# KiCad board pcb.kicad_pcb (continued)
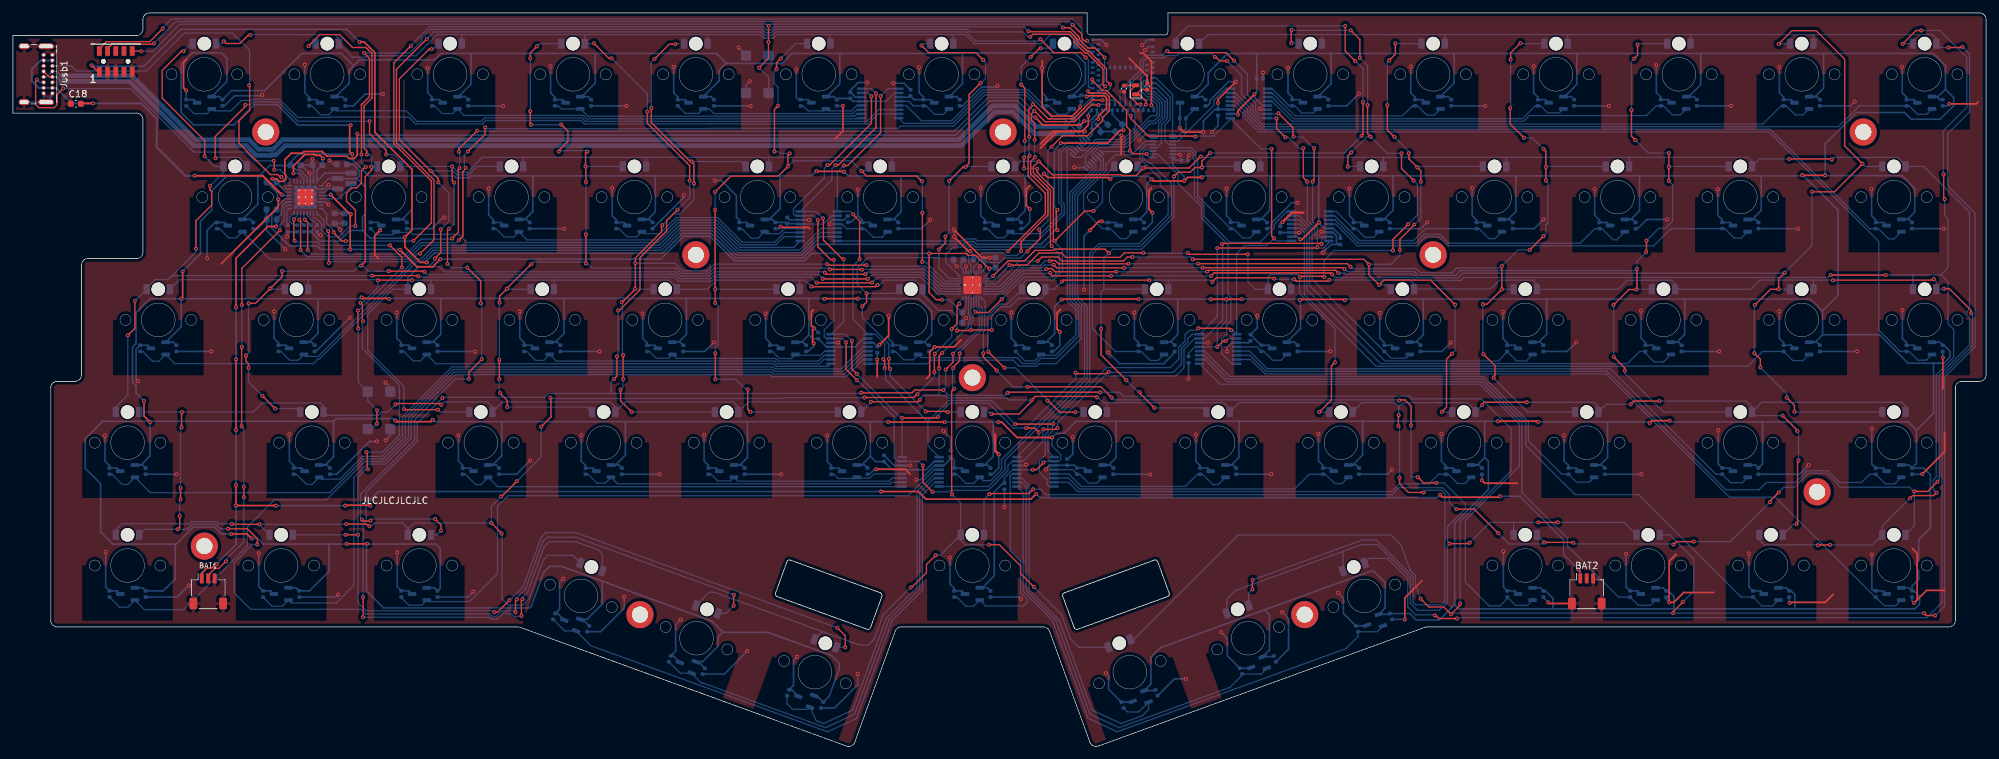
[diagram p0: board, top side]
## Routing (per net, layer and track width the routed paths; a pad name or vN(x,y) marks a point on that pad's centre or on a via; arc(x,y) is an arc through that point) (continued)
/MUX_B_6: length 31.3
  Bottom w0.2: MUXA2.14 182.14,92.08 182.5,91.71 182.5,90.94 182.7,90.74 182.7,85.09 184.17,83.61 184.17,81.94 188.15,77.96 192.82,77.96 195.03,80.17 195.03,80.75 197,82.71 MUXB6.8
/MUX_B_7: length 39.8
  Bottom w0.2: MUXB7.8 188.48,59.16 186.89,60.75 186.89,62.96 187.69,63.76 187.69,65.19 188.32,65.82 188.32,69.4 187.9,69.82 187.9,77.58 183.77,81.7 183.77,83.45 180.18,87.04 180.18,88.4 177.01,91.58 MUXA2.2
/MUX_B_8: length 69.4
  Bottom w0.2: MUXA2.5 175.25,93.08 174.25,92.07 174.25,90.95 177.43,87.77 177.43,86.73 178.63,85.54 178.63,82.25 174.11,77.74 167.94,77.74 166.49,76.28 166.49,56.5 160.03,50.04 160.03,48.58 159.63,48.18 159.63,45.05 158.71,44.13 158.71,42.42 159.92,41.2 159.92,40.46 160.23,40.16 MUXB8.8
/MUXA_SEL: length 22.9
  Top w0.2: v1(175.29,91.64) 173.19,91.64 v1(172.7,92.13) 172.7,95.34 172.2,95.84 172.2,98.3 169.97,100.54 169.97,100.56 169.09,101.44 168.47,101.44 166.9,103 v1(166.9,103.14)
  Bottom w0.2: v1(172.7,92.13) 172.55,91.98 168.48,91.98 MUXA1.1 ; v1(166.9,103.14) 166.95,103.09 MDBT1.41 ; v1(175.29,91.64) 175.29,91.54 175.76,91.08 MUXA2.1
/MUXB_SEL_0: length 200.5
  Top w0.2: v1(194.99,78.55) 194.63,78.91 v1(194.63,92.41) ; v1(134.8,58.47) 134.8,58.47 134.8,59.64 v1(134.6,59.84) ; v1(188.39,64.35) 188.09,64.65 v1(183.29,64.65) ; v1(129.94,82.28) 129.94,82.21 130.91,81.24 v1(130.91,75.3) ; v1(172.85,97.54) 172.85,97.09 175.56,94.38 182.78,94.38 v1(182.85,94.31) ; v1(154.98,49.82) 160.83,49.82 v1(160.86,49.85) ; v1(134.16,100.57) 134.16,94.9 129.08,89.83 v1(128.48,89.83)
  Bottom w0.2: MUXB1.1 135.31,101.71 v1(134.16,100.57) ; v1(183.29,64.65) 182.97,64.33 181.91,64.33 181.25,63.67 181.25,62.69 180.28,61.72 180.28,59.88 178.96,58.57 169.15,58.57 160.86,50.28 v1(160.86,49.85) 160.76,49.75 160.76,48.75 160.03,48.01 160.03,45.64 MUXB8.1 ; v1(134.8,58.47) 134.91,58.36 134.91,56.72 140.49,51.14 141.48,50.15 ; 141.48,50.15 141.48,50.25 144.71,53.48 147.59,53.48 147.6,53.49 149.1,53.49 149.11,53.48 151.32,53.48 v1(154.98,49.82) ; 141.48,50.15 141.48,46.45 MUXB4.1 ; v1(194.63,92.41) 192.99,92.41 MUXB5.1 188.24,96.95 185.66,94.38 182.91,94.38 v1(182.85,94.31) ; v1(129.94,82.28) 129.51,82.71 MUXB2.1 127.46,88.81 v1(128.48,89.83) ; v1(130.91,75.3) 129.91,74.29 129.91,66.01 MUXB3.1 133.31,63.71 134.8,62.22 134.8,60.05 v1(134.6,59.84) ; MUXB6.1 195.38,78.16 v1(194.99,78.55) 193.9,77.46 190.47,77.46 189.21,76.2 MUXB7.1 188.58,64.35 v1(188.39,64.35) ; MDBT1.22 172.4,97.89 172.75,97.54 v1(172.85,97.54)
/MUXB_SEL_1: length 231
  Top w0.2: v1(195.39,97.13) 195.39,95.56 v1(196.76,94.19) ; v1(128.46,75.32) 128.3,75.32 125.32,78.3 125.32,81.56 v1(125.24,81.64) ; v1(133.44,100.99) 133.44,95.69 127.65,89.9 v1(127.19,89.9) ; v1(130.51,57.58) 129.71,58.38 v1(129.71,62.71) ; v1(185.85,106.63) 185.98,106.63 186.62,106 v1(187.75,106) ; v1(143.04,50.91) 143.04,50.89 142.93,50.78 v1(137.49,50.78) ; v1(186.22,77.06) 201.58,77.06 v1(201.7,77.18) ; v1(164.29,57.77) 164.44,57.62 169.11,57.62 v1(169.41,57.92) ; v1(158.61,48.54) 158.61,48.59 158,49.2 v1(156.66,49.2) ; v1(199.54,92.53) 199.54,87.94 v1(200.15,87.33)
  Bottom w0.2: v1(125.24,81.64) 124.17,82.71 MUXB2.16 126.65,87.62 126.65,89.36 v1(127.19,89.9) ; v1(195.39,97.13) 195.35,97.16 MUXB5.16 192.76,97.16 191.73,98.19 191.73,99.05 189.98,100.8 189.98,103.77 v1(187.75,106) ; v1(199.54,92.53) 199.42,92.41 199.01,92.41 197.23,94.19 v1(196.76,94.19) ; MUXB1.16 132.72,101.71 v1(133.44,100.99) ; v1(143.04,50.91) 143.04,51.2 144.92,53.08 147.76,53.08 147.77,53.09 148.93,53.09 148.94,53.08 150.82,53.08 154.7,49.2 v1(156.66,49.2) 164.36,56.9 164.36,57.7 v1(164.29,57.77) ; v1(185.85,106.63) 185.35,107.14 180.27,107.14 179.97,106.84 178.27,106.84 177.91,106.48 175.35,106.48 174.75,105.89 174.75,104.41 172,101.67 MDBT1.23 ; v1(186.22,77.06) 186.22,66.45 MUXB7.16 182.34,63.71 181.65,63.03 181.65,62.53 180.67,61.55 180.67,59.08 179.4,57.81 169.52,57.81 v1(169.41,57.92) ; MUXB4.16 v1(137.49,50.78) 137.49,50.72 137.43,50.66 137.43,50.66 v1(130.51,57.58) ; v1(200.15,87.33) 200.15,81.33 201.28,80.2 201.28,79.13 201.7,78.71 v1(201.7,77.18) 201.83,77.05 202.63,77.05 203.46,77.88 MUXB6.16 ; v1(158.61,48.54) 158.61,48.08 MUXB8.16 ; v1(129.71,62.71) 128.71,63.71 MUXB3.16 128.46,65.68 v1(128.46,75.32)
/MUXB_SEL_2: length 232.8
  Top w0.2: v1(201.19,92.53) 201.19,87.56 v1(200.96,87.33) ; v1(202.35,77.69) 202.26,77.78 187.04,77.78 v1(186.93,77.67) ; v1(140.71,43.42) 140.71,40.83 v1(142.2,39.34) ; v1(195.68,97.92) 197.92,95.68 197.92,94.41 v1(198.01,94.33) ; v1(125.93,89.9) 126.29,89.9 132.75,96.36 v1(132.75,100.55) ; v1(124.46,81.41) 124.46,77.24 126.46,75.25 v1(126.93,75.25) ; v1(188.81,106.06) 187.58,107.28 178.73,107.28 v1(178.47,107.55) ; v1(128.83,62.48) 128.83,58.3 v1(130.54,56.59) ; v1(161.51,49.22) 161.29,49 v1(159.32,49)
  Bottom w0.2: v1(124.46,81.41) 123.8,82.06 MUXB2.15 121,82.06 120.7,82.36 120.7,83.16 125.47,87.94 125.47,89.44 v1(125.93,89.9) ; v1(159.32,49) 159.23,48.91 159.23,47.1 156.19,44.06 MUXB8.15 154.5,44.06 153.86,43.42 153.86,42.6 150.83,39.58 144.94,39.58 144.7,39.34 v1(142.2,39.34) ; v1(202.35,77.69) 202.35,78.44 202.73,78.81 ; v1(130.54,56.59) 130.63,56.59 136.26,50.96 136.26,44.63 136.83,44.06 MUXB4.15 140.06,44.06 v1(140.71,43.42) ; MUXB1.15 132.24,101.06 v1(132.75,100.55) ; MUXB6.15 202.73,78.81 ; 202.73,78.81 202.17,78.81 201.68,79.3 201.68,80.36 200.96,81.08 v1(200.96,87.33) ; 178.43,107.59 v1(178.47,107.55) 178.41,107.55 177.75,106.88 175.18,106.88 174.35,106.05 174.35,104.63 171.2,101.48 MDBT1.25 ; v1(198.01,94.33) 198.1,94.24 199.43,94.24 201.07,92.6 201.07,92.41 v1(201.19,92.53) ; v1(126.93,75.25) 126.93,65.89 125.45,64.41 125.45,63.36 125.75,63.06 MUXB3.15 128.25,63.06 v1(128.83,62.48) ; v1(188.81,106.06) 190.88,103.99 190.88,100.77 192.13,99.52 192.13,98.36 192.68,97.81 MUXB5.15 195.57,97.81 v1(195.68,97.92) ; v1(186.93,77.67) 187.05,77.55 187.05,65.89 184.22,63.06 MUXB7.15 182.75,63.06 181.08,61.39 181.08,58.51 179.83,57.27 168.77,57.27 161.51,50.01 v1(161.51,49.22)
/NRESET: length 173.4
  Top w0.2: v1(162.37,111.16) 163.41,111.16 164.9,109.67 164.9,109.33 166.23,108 167.34,108 v1(168.8,106.54) ; JTAG1.10 19.81,107.55 v1(19.86,107.5) ; v1(116.83,111.42) v1(116.83,108.96) 116.83,106.42 v1(115.38,104.97)
  Bottom w0.2: v1(162.37,111.16) 161.83,111.7 117.11,111.7 v1(116.83,111.42) 116.55,111.7 25.81,111.7 21.61,107.5 v1(19.86,107.5) ; MDBT1.40 168.15,102.19 168.24,102.27 168.24,102.35 168.62,102.74 168.7,102.74 168.8,102.83 v1(168.8,106.54) ; SW1.2 116.85,103.5 v1(115.38,104.97) ; v1(116.83,108.96) 116.85,108.94 SW1.2
/SCL: length 192.9
  Top w0.2: v1(157.19,91.36) 156.98,91.15 156.98,88.18 159.63,85.54 159.63,82.33 v1(153.86,76.57) ; v1(157.16,94.27) 157.09,94.34 157.09,98.53 157.72,99.16 v1(157.72,99.3) 157.83,99.3 160.08,97.05 160.45,97.05 160.45,97.05 163.98,97.05 166.86,99.94 v1(168.47,99.94) ; v1(44.48,76.73) 44.48,81.33 44.36,81.45 v1(44.27,81.45) ; v1(70.36,92.02) 73,94.66 v1(73,95.73) ; v1(68.94,78.26) 69.58,78.9 69.58,88.9 70,89.32 v1(70,89.47)
  Bottom w0.2: v1(168.47,99.94) 170.25,99.94 170.4,99.79 MDBT1.27 ; v1(70,89.47) 69.81,89.66 69.81,91.47 v1(70.36,92.02) ; PMIC1.14 44.48,81.65 v1(44.27,81.45) 44.27,81.37 R3.2 ; v1(153.86,76.57) 153.63,76.8 148.67,76.8 148.24,77.23 147.75,77.23 147.37,76.84 147.37,76.13 147.79,75.71 147.79,74.83 148.15,74.48 LEDDR1.28 ; v1(68.94,78.26) 68.58,77.9 63.13,77.9 60.97,75.74 45.48,75.74 v1(44.48,76.73) ; v1(157.16,94.27) 157.11,94.22 157.11,91.44 v1(157.19,91.36) ; v1(73,95.73) 73.21,95.53 107.21,95.53 107.27,95.59 136.93,95.59 137.27,95.93 145.46,95.93 150.27,100.75 156.58,100.75 157.72,99.61 v1(157.72,99.3)
/SDA: length 187.2
  Top w0.2: v1(167.85,99.18) 166.71,99.18 164.13,96.61 159.61,96.61 v1(157.94,98.28) 157.49,97.83 157.49,96.85 157.99,96.35 v1(157.99,93.79) ; v1(45.57,76.73) 45.58,76.74 45.58,81.01 v1(45.12,81.47) ; v1(71.77,95.21) 68.94,92.39 v1(68.94,91.95) ; v1(158.03,91.1) 157.38,90.44 157.38,88.51 160.03,85.86 160.03,82.17 155.89,78.03 v1(155.89,76.59) ; v1(69.07,89.45) 68.87,89.25 68.87,79.52 67.92,78.57 v1(67.92,78.53)
  Bottom w0.2: v1(167.85,99.18) 167.95,99.29 MDBT1.29 ; v1(158.03,91.1) 157.97,91.16 157.97,93.77 v1(157.99,93.79) ; LEDDR1.29 148.55,74.09 149.34,74.88 149.34,75.78 149.89,76.33 153.18,76.33 153.59,75.92 155.22,75.92 v1(155.89,76.59) ; v1(45.57,76.73) 46.17,76.14 60.8,76.14 63.1,78.44 67.83,78.44 v1(67.92,78.53) ; v1(69.07,89.45) 69.07,91.82 v1(68.94,91.95) ; v1(71.77,95.21) 71.85,95.13 145.59,95.13 150.81,100.35 155.75,100.35 157.82,98.28 v1(157.94,98.28) ; PMIC1.13 44.98,81.62 v1(45.12,81.47) 45.19,81.47 R4.2
/SW0: length 897.4
  Top w0.2: v1(54.14,19.93) 54.16,19.95 54.16,23.01 v1(54.13,23.04) ; 66.31,53.97 v1(66.42,53.86) ; v1(131.16,54.67) 139.03,54.67 139.46,55.1 v1(143.87,55.1) ; v1(104.64,87.51) 104.64,89.82 98.1,96.36 v1(98.1,98.14) ; v1(78.62,20.16) 78.62,22.55 v1(78.8,22.73) ; v1(299.26,108.09) 301.36,108.09 v1(301.46,108.19) ; v1(36.67,110.02) 36.4,110.02 35.09,108.7 32.95,108.7 v1(32.6,109.06) ; v1(92.56,106.42) 92.15,106.42 v1(89.83,108.74) ; v1(217.65,22.82) 218.94,21.53 221.24,21.53 v1(222.38,20.39) 223.78,21.79 v1(223.78,22.02) ; v1(102.76,82.99) 101.08,81.31 101.08,79.7 96.96,75.58 96.96,70.62 93.75,67.41 v1(93.57,67.41) ; v1(256.71,20.57) 256.71,20.79 v1(258.26,22.34) ; v1(92.96,56.81) 93.39,57.24 v1(93.39,60.28) ; v1(168.11,54.75) 153.9,54.75 v1(153.8,54.65) ; v1(145.36,60.72) 145.36,59.39 v1(144.23,58.26) ; v1(297.22,20.21) 295.88,20.21 v1(295.53,20.56)
  Bottom w0.2: 92.51,54.56 92.51,56.36 v1(92.96,56.81) ; 92.51,54.56 82.84,54.56 82.25,53.97 66.53,53.97 v1(66.42,53.86) 62.51,49.95 62.51,47.17 54.61,39.27 54.61,34.83 54.16,34.38 54.16,23.07 v1(54.13,23.04) ; 92.51,54.56 131.05,54.56 v1(131.16,54.67) ; D13.2 259.4,110.03 259.46,110.09 ; 126.4,110.09 118.12,110.09 117.6,109.57 116.06,109.57 115.54,110.09 107.4,110.09 ; 126.4,110.09 145.45,110.09 ; 126.4,110.09 D6.2 ; 69.4,110.09 65.59,110.09 62.35,106.85 62.35,106.81 54.79,106.81 54.57,106.59 52.5,106.59 D2.2 50.4,109.49 49.8,110.09 44.75,110.09 44.75,110.08 44.39,110.08 44.39,110.09 36.74,110.09 v1(36.67,110.02) ; 69.4,110.09 D3.2 ; 69.4,110.09 88.4,110.09 ; D11.2 221.4,110.06 221.43,110.09 ; v1(144.23,58.26) 144.23,55.46 v1(143.87,55.1) 144.69,54.28 147.26,54.28 147.27,54.29 149.43,54.29 149.44,54.28 153.43,54.28 v1(153.8,54.65) ; v1(168.11,54.75) 171.08,54.75 171.7,54.13 215.92,54.13 216.32,53.73 227.04,53.73 231.66,49.11 231.66,42.6 223.78,34.72 v1(223.78,22.02) ; v1(301.46,108.19) 302.54,107.11 302.54,98.13 299.18,94.77 299.18,86.68 303.4,82.46 303.4,61.78 298.68,57.06 298.68,21.67 v1(297.22,20.21) ; v1(102.76,82.99) 104.64,84.87 v1(104.64,87.51) ; 278.45,110.09 278.4,110.04 D14.2 ; 278.45,110.09 259.46,110.09 ; 278.45,110.09 296.8,110.09 297.4,109.49 D15.2 298,108.09 v1(299.26,108.09) ; v1(32.6,109.06) 32.23,108.69 D1.2 ; D9.2 184.8,110.09 202.38,110.09 ; 202.38,110.09 221.43,110.09 ; 202.38,110.09 202.4,110.07 D10.2 ; 221.43,110.09 240.42,110.09 ; 259.46,110.09 240.42,110.09 ; v1(93.57,67.41) 93.57,60.46 v1(93.39,60.28) ; 240.42,110.09 240.4,110.07 D12.2 ; v1(78.62,20.16) 78.51,20.05 77.46,20.05 77.07,20.44 76.73,20.44 76.65,20.52 75.74,20.52 74.87,19.65 74.01,19.65 73.72,19.93 v1(54.14,19.93) ; D8.2 164.4,109.49 163.8,110.09 160.45,110.09 159.05,108.69 148.65,108.69 147.25,110.09 145.45,110.09 ; v1(89.83,108.74) 89.78,108.69 D4.2 88.4,110.09 ; LEDDR1.11 148.95,68.01 149.52,67.44 149.52,66.9 149.41,66.79 149.41,64.58 146.24,61.41 146.05,61.41 v1(145.36,60.72) ; 88.4,110.09 107.4,110.09 ; v1(217.65,22.82) 216.87,24.96 216.87,26.4 216.04,27.23 214.63,31.12 213.09,32.66 189.44,32.66 173.3,16.51 D66.2 ; D7.2 145.4,110.04 145.45,110.09 ; v1(92.56,106.42) 98.1,100.88 v1(98.1,98.14) ; v1(78.8,22.73) 78.8,23.01 79.59,23.81 82.17,30.88 82.9,31.61 87.04,31.61 90.47,30.36 91.14,29.69 D62.2 ; v1(222.38,20.39) 222.38,20.54 222.4,20.57 v1(256.71,20.57) 295.52,20.57 v1(295.53,20.56) ; D70.2 256.18,32.69 259.91,28.96 259.91,23.99 v1(258.26,22.34) ; 107.4,110.09 D5.2
/SW1: length 650.7
  Top w0.2: 294.06,39.36 v1(294.01,39.41) 296.08,39.41 v1(297.59,40.92) ; v1(150.95,38.97) 151.06,39.08 157.1,39.08 v1(157.76,39.74) ; v1(271.68,37.76) 271.68,37.91 v1(273.04,39.27) ; v1(66.2,33.35) 66.2,34.22 v1(65.28,35.14) ; v1(67.44,80.04) 67.19,79.79 v1(67.19,74.61) ; v1(72.33,68.55) 72.33,71.95 v1(70.25,74.03) ; v1(241.28,31.46) 241.22,31.52 v1(236.78,31.52) ; v1(174.84,89.44) 175.08,89.68 175.08,89.81 ; v1(174.84,89.44) 173.69,88.28 171.52,88.28 171.41,88.4 160.73,88.4 158.65,90.47 v1(158.61,90.47) 157.78,89.64 157.78,88.73 160.43,86.08 160.43,77.53 v1(160.6,77.36) ; v1(174.84,89.44) 181.85,89.44 183.63,91.22 v1(183.67,91.22) ; v1(229.68,32.93) 225.95,36.66 v1(223.18,36.66) ; v1(281.25,90.76) 281.16,90.85 v1(274.66,90.85) ; v1(72.49,59.85) 70.51,57.87 v1(70.51,56.8) ; v1(148.87,67.17) 148.94,67.1 150.85,67.1 v1(152.89,69.14) ; v1(53.96,35.03) 53.96,34.89 54.04,34.82 55.21,34.82 v1(55.27,34.87) ; v1(55.14,96.68) 55.14,94.75 57.72,92.16 v1(57.72,91.54) ; v1(31.33,90.95) 31.28,91 31.28,94.32 35.95,98.99 v1(35.95,99.24) ; v1(68.22,87.19) 67.91,87.49 v1(67.91,89.69) ; v1(259.9,31.64) 257.23,31.64 v1(256.77,31.18)
  Bottom w0.2: 230.9,91.09 211.85,91.09 ; 230.9,91.09 249.9,91.09 ; 230.9,91.09 D26.2 ; 211.85,91.09 211.9,91.04 D25.2 ; 211.85,91.09 192.98,91.09 ; v1(148.87,67.17) 148.55,67.49 LEDDR1.12 ; 135.85,91.09 154.3,91.09 154.9,90.49 D22.2 155.69,90.47 v1(158.61,90.47) ; 135.85,91.09 116.88,91.09 ; 135.85,91.09 135.9,91.04 D21.2 ; 116.88,91.09 116.9,91.07 D20.2 ; 116.88,91.09 97.93,91.09 ; v1(256.77,31.18) 256.67,31.28 241.46,31.28 v1(241.28,31.46) ; v1(70.25,74.03) 67.77,74.03 v1(67.19,74.61) ; D65.2 150.15,38.17 v1(150.95,38.97) ; v1(223.18,36.66) 222.09,37.75 222.09,38.93 221.04,39.98 214.33,39.98 213.25,38.9 159.77,38.9 158.93,39.74 v1(157.76,39.74) ; 97.93,91.09 97.9,91.06 D19.2 ; 97.93,91.09 78.92,91.09 ; D72.2 294.01,34.05 v1(294.01,39.41) 293.92,39.41 293.27,40.06 282.58,40.06 280.43,42.21 277.61,42.21 275.46,40.06 273.83,40.06 v1(273.04,39.27) ; v1(68.22,87.19) 68.22,80.82 v1(67.44,80.04) ; v1(55.14,96.68) 44.05,96.68 41.04,99.69 37.16,99.69 36.71,99.24 v1(35.95,99.24) ; v1(183.67,91.22) 183.62,91.17 183.62,91.1 183.63,91.09 192.98,91.09 ; v1(174.84,89.44) 174.59,89.69 D23.2 ; 78.92,91.09 78.9,91.07 D18.2 ; 78.92,91.09 72.54,91.09 70.22,88.77 68.83,88.77 v1(67.91,89.69) D17.2 59.9,90.54 58.9,91.54 v1(57.72,91.54) ; v1(65.28,35.14) 55.53,35.14 v1(55.27,34.87) ; D61.2 65.54,32.69 v1(66.2,33.35) ; 192.98,91.09 192.9,91.01 D24.2 ; v1(274.66,90.85) 270.06,90.85 D28.2 268.9,90.49 268.3,91.09 249.9,91.09 ; 249.9,91.09 D27.2 ; D16.2 36.15,89.87 34.93,91.09 31.47,91.09 v1(31.33,90.95) ; v1(53.96,35.03) 53.75,35.24 53.75,38.98 62.11,47.34 62.11,50.47 68.44,56.8 v1(70.51,56.8) ; v1(160.6,77.36) 160.6,77.34 161.81,76.14 161.81,73.61 160.78,72.58 156.33,72.58 v1(152.89,69.14) ; v1(72.49,59.85) 72.49,68.39 v1(72.33,68.55) ; v1(281.25,90.76) 281.58,91.09 291.43,91.09 292.65,89.87 D29.2 295.44,89.69 302.54,82.59 302.54,67.6 302.14,67.2 302.14,66.68 302.54,66.28 302.54,62.05 297.85,57.36 297.85,41.18 v1(297.59,40.92) ; v1(229.68,32.93) 231.32,31.28 236.55,31.28 v1(236.78,31.52) 236.78,31.56 D69.2 ; v1(259.9,31.64) 265.56,31.64 v1(271.68,37.76)
/SW2: length 618
  Top w0.2: v1(195.03,72.33) 194.9,72.46 186.07,72.46 v1(185.45,71.84) ; v1(127.47,18.3) 128.7,17.07 v1(128.7,15.29) ; v1(219.85,20.23) 219.99,20.23 220.49,19.74 v1(223.29,19.74) ; v1(198.11,72.24) 198.41,71.94 203.36,71.94 v1(203.55,72.13) ; v1(302.79,66.95) 302.79,67.4 299.42,70.77 v1(298.57,70.77) ; v1(151.36,64.38) 148.12,64.38 v1(148.12,64.36) 148.06,64.3 v1(145.97,64.3) ; v1(53.35,32.69) 53.34,32.7 v1(51.43,32.7) ; v1(297.01,72.25) 296.85,72.09 281.43,72.09 v1(281.41,72.07) ; v1(162.19,71.88) 162.26,71.88 162.47,72.09 v1(175.72,72.09) ; v1(56.42,72.07) 56.44,72.09 v1(61.7,72.09) ; v1(54.64,45.48) 54.79,45.33 54.79,42.94 v1(54.91,42.82) ; v1(54.13,65.72) 54.03,65.83 54.03,68.3 v1(53.73,68.6) ; v1(74.44,20.7) 74.9,20.7 v1(76.77,22.57) 76.63,22.43 ; v1(133.68,71.34) 133.42,71.08 123.49,71.08 v1(123.47,71.1)
  Bottom w0.2: v1(281.41,72.07) 281.35,72.13 280.88,72.13 280.86,72.1 278.46,72.1 ; D31.2 45.65,72.09 45.58,72.16 ; v1(151.36,64.38) 151.32,64.41 151.32,66.54 152.77,67.99 154.23,67.99 155.52,69.28 159.05,69.28 159.65,69.89 D37.2 161,70.69 v1(162.19,71.88) ; 90.55,31.74 v1(127.47,18.3) ; D39.2 197.65,72.16 197.57,72.24 ; v1(76.77,22.57) 76.82,22.57 78.9,24.65 81.7,32.33 82.39,33.02 87.01,33.02 90.63,31.71 ; 178.68,72.09 178.65,72.06 D38.2 ; 178.68,72.09 v1(175.72,72.09) ; 178.68,72.09 185.2,72.09 v1(185.45,71.84) ; v1(145.97,64.3) 145.97,66.54 145.12,67.39 143.15,67.39 140.65,69.89 D36.2 ; D32.2 64.65,72.06 64.62,72.09 ; LEDDR1.13 148.15,66.97 148.45,66.66 148.45,65.79 148.15,65.49 148.15,64.39 v1(148.12,64.36) ; v1(223.29,19.74) 223.42,19.87 295.94,19.87 298.28,22.21 298.28,57.22 303,61.94 303,66.74 v1(302.79,66.95) ; v1(298.57,70.77) 298.49,70.69 D44.2 297.4,71.86 v1(297.01,72.25) ; 121.63,72.09 121.65,72.07 D35.2 ; 121.63,72.09 122.48,72.09 v1(123.47,71.1) ; 121.63,72.09 108.78,72.09 107.38,70.69 D34.2 102.65,70.87 101.43,72.09 83.62,72.09 ; v1(195.03,72.33) 195.12,72.24 197.57,72.24 ; v1(74.44,20.7) 74.19,20.95 54.59,20.95 53.38,22.16 53.38,32.66 v1(53.35,32.69) 53.35,41.61 54.56,42.82 v1(54.91,42.82) ; 197.57,72.24 v1(198.11,72.24) ; v1(53.73,68.6) 54.08,68.6 56.42,70.93 v1(56.42,72.07) 56.33,72.16 45.58,72.16 ; 83.62,72.09 64.62,72.09 ; 83.62,72.09 83.65,72.06 D33.2 ; v1(133.68,71.34) 133.96,71.34 134.71,72.09 139.43,72.09 140.65,70.87 ; v1(54.64,45.48) 57.15,45.48 59.76,48.09 59.76,55.79 54.03,61.52 54.03,65.62 v1(54.13,65.72) ; D68.2 209.75,29.05 212.53,29.05 215.67,25.91 215.67,21.54 216.9,20.31 219.77,20.31 v1(219.85,20.23) ; D64.2 128.7,15.28 v1(128.7,15.29) ; 64.62,72.09 v1(61.7,72.09) ; D60.2 51.42,32.69 v1(51.43,32.7) ; 45.58,72.16 25.74,72.16 D30.2 24.27,71.18 ; D43.2 278.4,72.07 278.36,72.1 270.14,72.1 268.72,70.69 D42.2 257.03,71.49 256.42,72.09 253.78,72.09 253.76,72.07 249.62,72.07 248.24,70.69 D41.2 235.65,71.49 235.05,72.09 229.84,72.09 228.49,70.74 216.7,70.74 D40.2 216.65,71.49 216.03,72.11 204.31,72.11 204.29,72.13 v1(203.55,72.13)
  Bottom w0.25: 209.39,28.25 209.43,28.25
/SW3: length 569.5
  Top w0.2: v1(151.32,51.38) 155.55,51.38 157.56,53.39 v1(157.56,53.56) 158.1,54.1 167.51,54.1 v1(167.65,53.95) ; v1(214.23,49.5) 214.23,51.16 v1(214.27,51.2) ; v1(140.26,53.58) 139.94,53.27 v1(132.65,53.27) ; v1(26.13,51.69) 26.07,51.63 v1(26.07,49.3) ; v1(25.91,38.16) v1(25.91,39.95) ; v1(273.64,51.13) 275.92,48.85 v1(275.92,48.73) ; v1(250.14,52.88) 250.64,53.38 v1(254.6,53.38) ; v1(234.07,53.2) 227.46,53.2 227.16,52.9 v1(227.16,52.75) ; v1(77.92,22.7) 77.71,22.49 v1(77.71,20.7) ; v1(191.66,24.25) 191.66,25.67 v1(191.71,25.72) ; v1(143.21,58.45) 143.21,60.37 v1(143.69,60.85) ; v1(214.41,41.53) 214.41,40.62 215.78,39.25 v1(218.14,39.25) ; v1(111.44,21.72) 111.44,23.4 v1(111.46,23.42) ; v1(25.46,33.54) 25.79,33.87 v1(25.79,35.6) ; v1(275.79,34.32) 275.95,34.48 275.95,44.05 v1(276.1,44.2) ; v1(33.26,33.63) 36.25,33.63 37.8,32.07 v1(37.8,31.19) ; v1(59.15,52.86) 59.29,53.01 66.05,53.01 v1(66.24,52.82)
  Bottom w0.2: v1(151.32,51.38) 151.01,51.69 D51.2 ; v1(33.26,33.63) 32.04,33.63 31.36,34.31 27.72,34.31 26.95,33.54 v1(25.46,33.54) 20.38,33.54 D59.2 ; v1(77.92,22.7) 77.92,22.95 79.27,24.31 81.94,31.63 82.63,32.32 87,32.32 v1(111.46,23.42) ; 143.27,54.24 140.75,54.24 140.26,53.75 v1(140.26,53.58) ; 143.27,54.24 144.16,54.24 144.52,53.88 147.43,53.88 147.44,53.89 149.26,53.89 149.27,53.88 153.65,53.88 153.97,53.56 v1(157.56,53.56) ; 143.27,54.24 143.21,54.3 v1(143.21,58.45) ; v1(218.14,39.25) 218.47,39.58 220.88,39.58 221.42,39.03 221.42,22.46 220.83,21.87 216.89,21.87 216.47,22.29 216.47,26.24 210.84,31.87 208.59,31.87 v1(191.71,25.72) ; 191.66,24.11 v1(191.66,24.25) 191.07,23.65 D67.2 ; 111.37,21.78 v1(111.44,21.72) 110.26,20.53 D63.2 ; D52.2 169.15,53.13 169.17,53.15 ; D58.2 292.65,52.66 292.11,53.2 270.41,53.2 D57.2 ; 275.95,34.39 275.86,34.39 v1(275.79,34.32) 275.28,34.32 D71.2 ; v1(254.6,53.38) 268.01,53.38 268.9,52.49 D57.2 ; v1(273.64,51.13) 269.46,51.13 D57.2 ; v1(143.69,60.85) 147.75,64.91 147.75,65.66 148.05,65.96 148.05,66.5 147.75,66.8 LEDDR1.14 ; v1(37.8,31.19) 37.03,31.19 34.22,28.38 34.22,23.69 36.74,21.17 53.8,21.17 54.54,20.43 73.79,20.43 74.17,20.05 74.71,20.05 75.58,20.92 77.49,20.92 v1(77.71,20.7) ; v1(167.65,53.95) 167.79,53.95 168.6,53.15 169.17,53.15 ; 132.64,53.26 v1(132.65,53.27) 132.65,53.19 D50.2 131.15,52.49 130.38,53.26 113.72,53.26 D49.2 112.15,52.5 111.39,53.26 94.69,53.26 94.69,53.23 D48.2 93.15,52.49 92.38,53.26 75.72,53.26 D47.2 74.15,52.49 73.38,53.26 66.68,53.26 v1(66.24,52.82) ; v1(25.91,38.16) 25.79,38.04 v1(25.79,35.6) ; v1(214.23,49.5) 214.41,49.32 v1(214.41,41.53) ; 169.17,53.15 187.19,53.15 188.15,52.19 D53.2 189.61,53.15 206.12,53.15 207.15,52.12 D54.2 208.61,53.15 213.69,53.15 214.27,52.57 v1(214.27,51.2) 214.27,52.49 214.93,53.15 224.87,53.15 226.15,51.87 D55.2 227.16,52.7 v1(227.16,52.75) ; v1(275.92,48.73) 276.1,48.55 v1(276.1,44.2) ; v1(234.07,53.2) 244.43,53.2 245.15,52.48 D56.2 246.34,52.88 v1(250.14,52.88) ; D45.2 v1(26.13,51.69) 37.13,51.69 38.53,53.09 47.56,53.09 48.02,52.62 D46.2 48.52,51.19 56.49,51.19 56.99,51.69 57.97,51.69 v1(59.15,52.86) ; v1(26.07,49.3) 25.91,49.14 v1(25.91,39.95)
/SWDCLK: length 156.5
  Top w0.2: v1(163.87,111.58) 165.3,110.15 165.3,109.49 165.66,109.14 v1(166.1,109.14) ; JTAG1.4 14.63,107.91 15.3,108.58 21.66,108.58 v1(21.79,108.72)
  Bottom w0.2: MDBT1.53 166.95,108.29 v1(166.1,109.14) ; v1(163.87,111.58) 163.35,112.1 25.17,112.1 v1(21.79,108.72)
/SWDIO: length 159.6
  Top w0.2: JTAG1.2 13.36,107.91 14.43,108.99 21.15,108.99 22.17,110.01 22.17,110.02 v1(23.16,111.01)
  Bottom w0.2: MDBT1.51 166.33,107.39 165.3,108.42 165.3,111 163.8,112.5 24.51,112.5 23.16,111.15 v1(23.16,111.01)
/USB_D+: length 167.4
  Bottom w0.2: 7.46,103.73 6.8,104.39 Jusb1.A6 6.1,104.39 5.25,103.54 Jusb1.B6
  Bottom w0.25: Jusb1.A6 6.09,104.39
  Bottom w0.73: 147.2,94.78 151.47,99.05 154.98,99.05 158.17,95.86 R1.2 ; 7.46,103.73 18.37,103.73 28.27,93.83 36.5,93.83 38,92.34 39.58,92.34 39.59,92.35 40.21,92.35 41.7,93.83 146.26,93.83 147.2,94.78
/USB_D-: length 168.5
  Top w0.2: Jusb1.B7 4.75,104.39 5.6,103.54 Jusb1.A7
  Bottom w0.2: 7.46,102.84 6.77,103.54 Jusb1.A7
  Bottom w0.73: 147.86,94.12 146.64,92.9 42.08,92.9 40.65,91.47 39.95,91.47 39.89,91.41 37.61,91.41 36.12,92.9 27.95,92.9 18.01,102.84 7.46,102.84 ; 147.86,94.12 151.86,98.12 154.6,98.12 157.96,94.76 R2.2
/VOUT2: length 18.9
  Top w0.25: v1(47.95,90.93) 47.49,91.39 46.74,91.39 46.59,91.54 45.16,91.54 43.37,89.76 v1(43.37,88.62)
  Bottom w0.25: PMIC1.28 44.98,87.84 44.19,88.62 v1(43.37,88.62) ; v1(47.95,90.93) 47.84,90.82 C26.1 46.97,89.06 PMIC1.32 48.23,88.65 L2.1
/VSYS: length 155.7
  Top w0.2: v1(150.99,73.88) 150.91,73.88 148.87,75.93 147.75,75.93 147.45,76.23 v1(141.66,76.23) 141.66,70.18 142.77,69.07 v1(143.62,69.07)
  Top w0.25: v1(66.1,75.35) 64.92,74.16 62.47,74.16 v1(59.85,76.79) ; v1(52.15,76.84) 52.15,82.2 v1(52.24,82.29) 52.13,82.29 49.14,85.28 v1(49.14,85.34)
  Bottom w0.2: C35.1 151.13,74.02 v1(150.99,73.88) 150.99,73.39 LEDDR1.1 ; LEDDR1.15 147.35,67.65 C36.1 144.78,69.07 v1(143.62,69.07)
  Bottom w0.25: v1(52.24,82.29) 52.09,82.44 C11.1 51.27,82.43 C10.1 ; v1(59.85,76.79) 59.8,76.84 v1(52.15,76.84) 47.6,76.84 47.02,77.41 42.76,77.41 40.02,80.15 40.02,82.27 C12.1 ; v1(49.14,85.34) 48.99,85.19 PMIC1.4 ; 40.77,83.16 40.77,83.36 42.1,84.69 PMIC1.20 ; v1(66.1,75.35) 100.15,75.35 103.68,78.87 107.77,78.87 111.57,75.08 122.33,75.08 123.48,76.23 v1(141.66,76.23)
Net-(BAT1-NTC): length 63.8
  Top w0.2: v1(35.36,49.46) 35.36,61.75 v1(35.39,61.78) ; BAT1.2 30.19,26.44 31.24,27.49 31.84,27.49 v1(32.95,28.6) ; v1(35.39,68.24) 35.4,68.25 35.4,73.92 v1(41.3,79.82) ; v1(35.69,38.48) 35.7,38.49 v1(35.7,40.14)
  Bottom w0.2: v1(41.3,79.82) 41.3,80.63 41.98,81.3 41.98,83.3 42.36,83.69 PMIC1.18 ; v1(35.7,40.14) 35.7,49.12 v1(35.36,49.46) ; v1(32.95,28.6) 33.07,28.71 33.07,28.97 35.69,31.59 v1(35.69,38.48) ; v1(35.39,68.24) v1(35.39,61.78)
Net-(Jusb1-CC1): length 60.8
  Top w0.2: v1(36.53,102.23) 36.6,102.16 36.6,98.38 34.96,96.74 34.96,93.26 39.79,88.43 40.94,88.43 41.32,88.05 v1(41.51,88.05)
  Bottom w0.2: Jusb1.A5 9.03,105.24 9.81,104.46 20.62,104.46 26.49,110.33 33.93,110.33 36.6,107.66 36.6,102.3 v1(36.53,102.23) ; PMIC1.23 42.36,86.19 42.07,86.47 42.07,87.49 v1(41.51,88.05)
Net-(Jusb1-CC2): length 54.4
  Top w0.2: v1(40.41,89.18) 40.41,90.47 v1(40.33,90.55) ; v1(3.7,103.11) 3.51,102.92 3.51,99.28 4.01,98.78 6.39,98.78 6.85,99.24 6.85,100.84 v1(7.78,101.77)
  Bottom w0.2: v1(40.41,89.18) 41.3,89.18 42.77,87.7 PMIC1.24 ; v1(3.7,103.11) 4.12,102.69 Jusb1.B5 ; v1(40.33,90.55) 37.4,90.55 36.04,91.91 27.99,91.91 18.17,101.73 7.82,101.73 v1(7.78,101.77)
Net-(LEDDR1-VCAP): length 2.3
  Bottom w0.2: C34.2 146.58,74.87 146.58,74.13 146.95,73.76 LEDDR1.25
Net-(MDBT1-D+): length 4.8
  Bottom w0.2: MDBT1.35 166.64,100.19 165.66,99.2 165.66,98.68 164.01,97.03 R1.1
  Bottom w0.25: 166.98,100.15 166.82,100.15
Net-(MDBT1-D-): length 4.4
  Bottom w0.2: MDBT1.34 166.85,99.39 166.06,98.6 166.06,98.4 164.89,97.23 R2.1
Net-(MDBT1-P0.00/XL1): length 5.7
  Top w0.2: v1(175.2,99.27) 175.2,99.79 174.15,100.84 Y1.1 173.7,100.84 174.44,101.58 C2.1
  Bottom w0.2: MDBT1.17 174.8,98.87 v1(175.2,99.27)
Net-(MDBT1-P0.01/XL2): length 7.1
  Top w0.2: C4.1 171.9,102.2 171.94,102.24 Y1.2 172.75,101.38 172.75,100.49 173.94,99.3 v1(174.35,99.3)
  Bottom w0.2: v1(174.35,99.3) 174.3,99.25 174.3,98.69 MDBT1.18
Net-(PMIC1-SHPHLD): length 53.9
  Top w0.2: v1(53.35,67.4) 53.35,64.69 v1(53.41,64.63) ; v1(43.44,81.53) 43.44,78.3 v1(43.55,78.19) ; v1(58.28,77.49) 60.13,75.64 v1(60.13,74.08) ; v1(56.27,49.87) 56.27,51.86 v1(56.34,51.93)
  Bottom w0.2: v1(56.34,51.93) 54.85,53.42 SW2.2 53.41,56.28 v1(53.41,64.63) ; v1(43.55,78.19) 43.74,78 47.04,78 47.55,77.49 v1(58.28,77.49) ; v1(53.35,67.4) 53.45,67.4 v1(60.13,74.08) ; SW2.2 55.44,49.04 v1(56.27,49.87) ; v1(43.44,81.53) 43.98,82.07 PMIC1.15
Net-(PMIC1-SW1): length 2.8
  Bottom w0.2: L1.2 48.75,86.21 48.23,85.69 PMIC1.3
Net-(PMIC1-SW2): length 5.8
  Bottom w0.2: L2.2 52.31,86.65 50.35,84.69 PMIC1.5
Net-(PMIC1-VBUS): length 57.2
  Top w0.3: v1(41.56,85.32) 38.64,88.24 v1(28.1,88.24) ; v1(12.38,99.45) 10.57,99.45 C18.1
  Bottom w0.3: v1(28.1,88.24) 26.66,88.24 22.23,92.67 22.23,97.03 19.81,99.45 v1(12.38,99.45) 9.11,99.45 6.72,101.84 Jusb1.A9 Jusb1.B4 3.98,101.84 2.92,102.9 2.92,104.72 4.28,106.09 Jusb1.B9 Jusb1.A4 ; v1(41.56,85.32) 41.69,85.19 PMIC1.21
Net-(PMIC1-VSET1): length 2.8
  Bottom w0.2: R5.2 42.49,80.98 42.38,81.09 42.38,82.79 PMIC1.17
Net-(PMIC1-VSET2): length 3
  Bottom w0.2: PMIC1.16 42.78,81.79 42.78,81.26 43.44,80.6 R6.2

## Copper pours and planes (outline as drawn; the poured copper is in the pictures)
GND on Top: -5.05,121.34 310.65,120.59 310.12,-22.6 -4.3,-22.96

Small or netless copper shapes (teardrops, artwork), in the pictures only: 546 on Top, 1894 on Bottom
